# Altium PCB MB1605.PcbDoc (part 10 of 11) (continued)
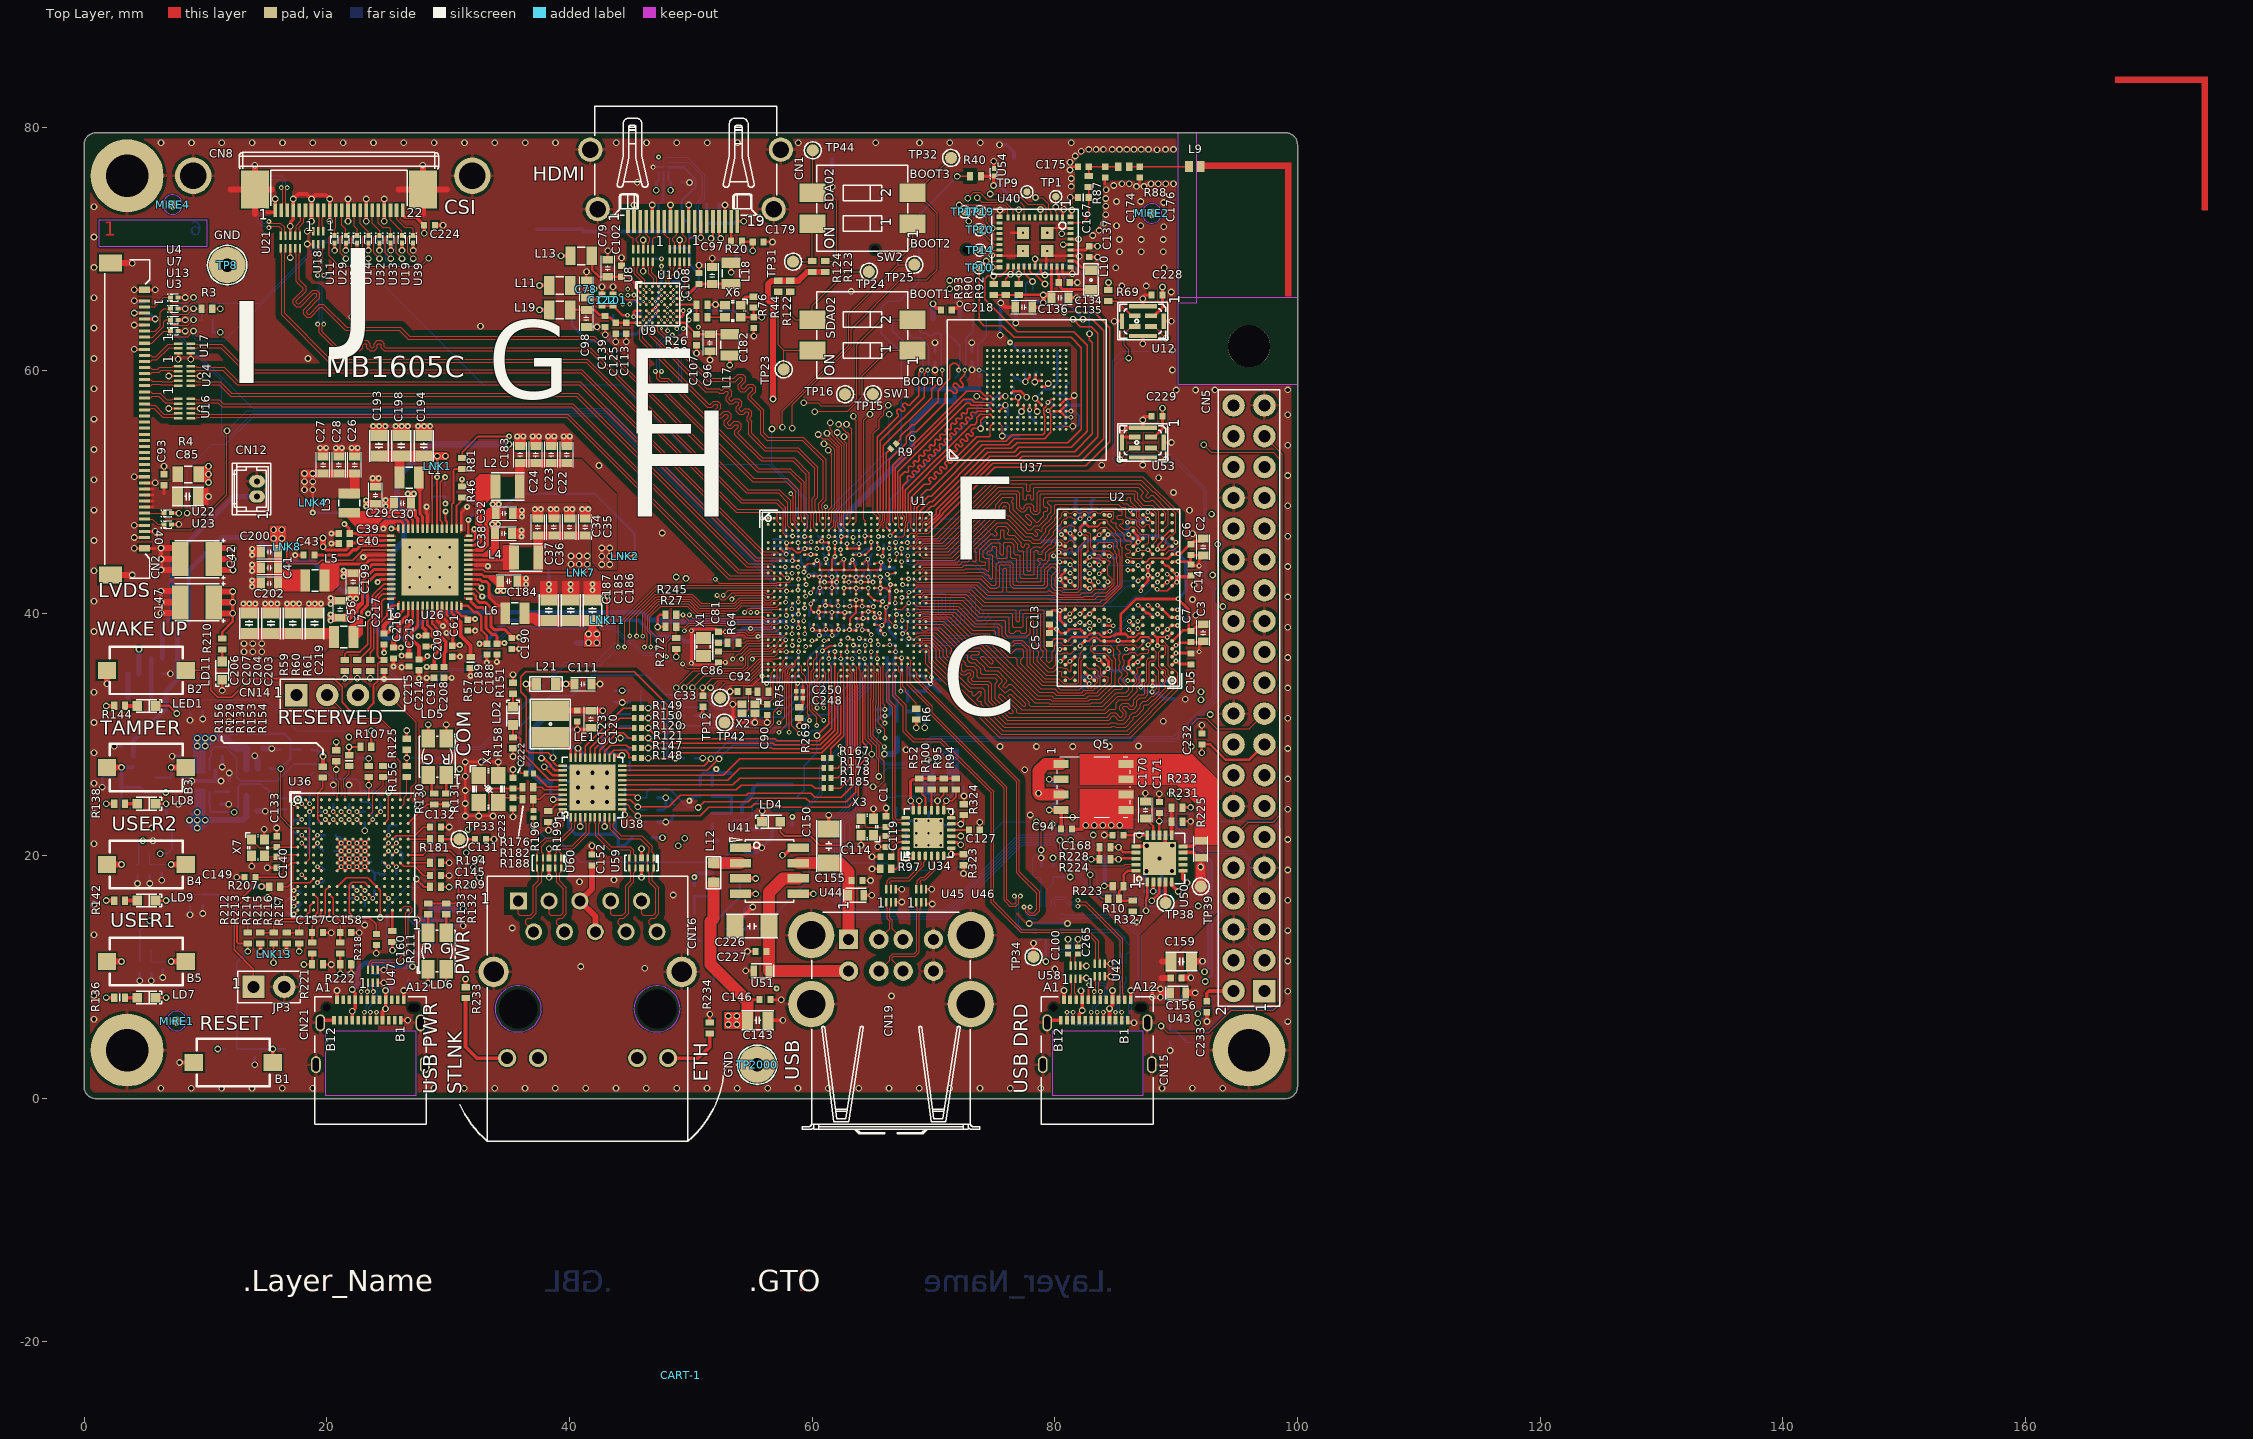
[diagram p0: Top Layer view]
## Nets (pads, with @x,y where several pads share a name; then routed paths per layer and width w, separated by ;. In a path a pad name is that pad's centre, name@x,y a point inside that pad or via, vN(x,y) a via of type N, cw(c..) or ccw(c..) an arc to the next point about the centre after c; other vN are vias at no path point) (continued)
  Bottom Layer w0.5: v1@65.97,28.4 66.707,28.4 67,28.693 R11.1@67,29.675
  other v1: 65.956,28.4
VDDCORE_FB: LNK2.1 U26.28 | length 19.7
  Top Layer w0.2: U26.28@31.67,46.4 v4(31.67,47.7) ; LNK2.1@44.766,44.7 v4(45.376,44.7)
  Bottom Layer w0.2: v4(31.67,47.7) 32.097,48.127 34.077,48.127 35.8,49.85 42.087,49.85 45.376,46.561 v4(45.376,44.7)
VDDCPU: C26.2 C27.2 C28.2 C62.1 C63.2 C64.2 C65.1 C66.2 C67.2 C68.2 C69.2 L3.2 LNK4.1 U1.1C7 U1.1C9 U1.1D6 U1.1D8 U1.1D10 U1.F18 U1.G15 U1.G17 | length 26.3
  Top Layer w0.15: U1.G15@63.375,44.825 v3(63.9,44.825) U1.G17@64.375,44.825 U1.F18@64.875,45.325 v3(64.875,45.875) ; v3(65.017,42.572) U1.1D10@64.625,42.575 ; U1.1D8@63.625,42.575 63.02,42.575 v3(63.017,42.572) U1.1D6@62.625,42.575 v3(62.625,42.983) 62.716,43.075 U1.1C7@63.125,43.075 v3(63.625,42.983) ; U1.1D8@63.625,42.575 v3(63.625,42.983) ; U1.1D8@63.625,42.575 v3(64.017,42.572) 64.622,42.572 U1.1D10@64.625,42.575 ; v3(63.625,42.983) 63.716,43.075 U1.1C9@64.125,43.075 v3(64.625,42.983) U1.1D10@64.625,42.575
  Top Layer w0.2: LNK4.1@18.85,49.35 v1(18.85,50.173)
  Top Layer w0.3: v1(18.175,50.173) v1(18.175,50.848) v1(18.175,51.523) v1(18.85,51.523) v1(18.85,50.848) v1(18.85,50.173)
  Top Layer w0.64: v1(18.175,51.523) v1(18.175,51.523) C27.2@19.7,51.525 C28.2@21,51.525 C26.2@22.3,51.525
  Top Layer w0.8: L3.2@21.85,49.875 22.3,49.875 22.3,51.173
  Bottom Layer w0.15: C63.2@62.506,43.455 62.606,43.355 62.606,43.269 62.608,43.267 62.608,43.001 v3(62.625,42.983) 62.625,42.684 62.737,42.572 v3(63.017,42.572) v3@63.062,42.617 ; C62.1@63.106,43.078 63.062,43.034 v3@63.062,42.617 ; v3(63.625,42.983) 63.261,42.62 63.065,42.62 v3@63.062,42.617 ; v3(64.875,45.875) 64.895,45.855 C66.2@64.895,45.441
  Bottom Layer w0.2: C67.2@63.4,44.95 63.775,44.95 v3(63.9,44.825) 63.933,44.825 64.23,45.122 64.23,45.127 64.3,45.197 C69.2@64.305,45.197 ; C65.1@63.675,43.434 63.675,43.033 v3(63.625,42.983) 64.017,42.903 ; v3(64.017,42.572) 64.017,42.903 ; C68.2@64.239,43.447 64.239,43.125 ; C69.2@64.305,45.202 64.579,45.324 64.778,45.324 C66.2@64.886,45.432 ; v3@64.625,42.964 v3(64.625,42.983) ; C64.2@64.8,43.446 64.8,43.158 v3(64.625,42.983) ; C66.2@64.853,45.445 C66.2@64.886,45.432 ; C66.2@64.895,45.441 C66.2@64.886,45.432 ; C66.2@64.915,45.421 C66.2@64.886,45.432 ; v3(65.017,42.572) v3(64.625,42.983) ; 64.017,42.903 64.239,43.125 ; 64.239,43.125 64.381,42.983 v3(64.625,42.983)
VDDCPU_FB: LNK4.2 U26.42 | length 8.6
  Top Layer w0.2: v4(18.85,48.29) LNK4.2@18.85,48.9 ; v4(25.325,46.975) U26.42@25.895,46.975
  Bottom Layer w0.2: v4(18.85,48.29) 21.979,48.29 22.394,47.875 25.123,47.875 25.325,47.673 v4(25.325,46.975)
VDDGPU: C34.2 C35.2 C36.2 C37.2 C52.2 C53.2 C54.2 C55.2 C57.2 C58.2 C59.2 C60.2 L4.2 LNK7.2 U1.1G7 U1.1G9 U1.1H6 U1.1H8 U1.1H10 U1.1L7 U1.1L9 U1.1M6 U1.1M8 U1.1M10 | length 28.4
  Top Layer w0.1: U1.1H6@62.625,40.575 U1.1H6@62.625,40.61
  Top Layer w0.125: U1.1G9@64.125,41.075 v3(64.125,40.575) U1.1H10@64.625,40.575
  Top Layer w0.15: LNK7.2@41.175,43.35 41.182,43.358 41.385,43.358 41.473,43.445 v1(41.473,44.038) ; U1.1M6@62.625,38.575 v3(63.075,38.65) ; U1.1H6@62.625,40.575 v3(63.1,40.575) U1.1H8@63.625,40.575 ; U1.1G7@63.125,41.075 v3(63.625,41.1) ; v3(64.125,40.575) U1.1H8@63.625,40.575 ; U1.1G9@64.125,41.075 64.1,41.1 v3(63.625,41.1) ; v3(64.876,38.245) U1.1M10@64.625,38.575 64.571,38.629 v3(64.125,38.629) U1.1L9@64.125,39.075 63.851,39.075 v3(63.747,38.971) U1.1M8@63.625,38.575 63.15,38.575 v3(63.075,38.65) ; v3(63.075,38.65) U1.1L7@63.125,39.075 63.125,39.59 63.625,40.09 U1.1H8@63.625,40.575 ; U1.1H8@63.625,40.575 v3(63.625,41.1)
  Top Layer w0.16: U1.1H10@64.625,40.575 v3(65.05,40.55)
  Top Layer w0.2: C35.2@41.55,46.393 C35.2@41.598,46.345
  Top Layer w0.3: v1(40.123,44.038) v1(40.798,44.038) v1(41.473,44.038) ; v1(40.123,44.713) v1(40.798,44.713) v1(41.473,44.713)
  Top Layer w0.64: C37.2@37.4,46.4 C36.2@38.7,46.4 C34.2@40,46.4 C35.2@41.3,46.4
  Top Layer w0.8: L4.2@37.425,44.6 37.425,46.073
  Bottom Layer w0.15: C57.2@62.592,39.053 62.592,38.738 62.68,38.65 v3(63.075,38.65) ; C55.2@62.6,41.05 62.6,40.711 62.688,40.623 63.052,40.623 v3(63.1,40.575) 63.162,40.637 C52.2@63.162,41.057 63.184,41.079 63.603,41.079 v3(63.625,41.1) 63.625,40.719 63.769,40.575 v3(64.125,40.575) ; C60.2@63.154,39.122 63.092,39.06 63.092,38.667 v3(63.075,38.65) ; C59.2@63.714,39.486 63.747,39.453 v3(63.747,38.971) ; C53.2@64.083,41.306 64.083,40.962 64.125,40.919 v3(64.125,40.575) ; C54.2@64.706,41.029 65.002,40.733 65.002,40.598 v3(65.05,40.55) 64.15,40.55 v3(64.125,40.575) ; v3(64.876,38.245) 64.876,38.289 64.707,38.458 64.707,38.597 C58.2@64.607,38.697 64.193,38.697 v3(64.125,38.629) 63.783,38.971 v3(63.747,38.971) ; v3(63.075,38.65) 63.426,38.65 v3(63.747,38.971)
VDDGPU_FB: LNK7.1 U26.21 | length 9.3
  Top Layer w0.15: U26.21@31.55,43.6 32.883,43.6 33.06,43.423 34.14,43.423 34.213,43.35 LNK7.1@40.725,43.35
VDDIO: B4.1 B5.1 C70.1 C71.2 C72.2 C73.1 C74.2 C185.2 C186.2 C187.2 C196.2 C205.2 L6.2 LNK11.2 LNK13.1 R27.2 R31.2 R32.2 R33.2 R44.2 R67.2 R107.2 R122.2 R123.2 R124.2 R125.2 R223.2 R245.2 R246.2 R260.2 R261.2 TP2.1 TP4.1 U1.1L1 U1.1L3 U1.1L5 U1.1M2 U1.1M4 U1.D10 U1.E9 U1.E11 U1.G11 U26.29 | length 294.2
  Top Layer w0.15: U1.1L1@60.125,39.075 v3(60.025,38.65) 60.1,38.575 U1.1M2@60.625,38.575 ; U1.E9@60.375,45.825 60.397,45.825 60.488,45.916 60.756,45.916 v3(60.78,45.94) 60.895,45.825 U1.E11@61.375,45.825 v3(61.35,45.325) U1.G11@61.375,44.825 ; v3(60.6,38.175) U1.1M2@60.625,38.575 ; v3@60.866,46.094 60.866,46.316 U1.D10@60.875,46.325 ; U1.1L3@61.125,39.075 v3(61.125,38.675) ; v3(61.663,38.175) 61.625,38.212 U1.1M4@61.625,38.575 ; U1.1L5@62.125,39.075 62.125,38.793 62.175,38.743 v3(62.175,38.675) 62.075,38.575 U1.1M4@61.625,38.575 ; U1.1M2@60.625,38.575 61.025,38.575 v3(61.125,38.675) ; v3(61.125,38.675) 61.225,38.575 U1.1M4@61.625,38.575
  Top Layer w0.2: v1(15.615,11.207) LNK13.1@15.615,11.687 ; R107.2@23.675,28.982 23.675,30.322 v1(23.677,30.325) ; R125.2@26.59,29.657 v1(26.59,30.332) ; U26.29@31.1,47.045 31.1,48.298 v4(31.575,48.773) ; C186.2@41.9,39.4 42.085,39.215 LNK11.2@43.1,39.215 ; v1(47.267,38.87) 47.267,39.699 47.441,39.873 R245.2@47.905,39.873 ; v1@47.269,38.872 R27.2@47.905,38.872 ; v1(84.08,17.535) R223.2@84.755,17.535
  Top Layer w0.5: B5.1@1.886,11.3 v1(3.095,11.3) ; B4.1@1.886,19.3 v1(3.095,19.3) ; v1(56.775,57.65) 56.775,65.427 56.359,65.843 56.359,67.102 56.652,67.395 57.195,67.395 R44.2@57.2,67.4 R122.2@58.2,67.4 58.201,67.401 58.864,67.401 59.583,68.12 60.02,68.12 R124.2@60.025,68.125 R123.2@61.1,68.125
  Top Layer w0.64: 41.9,38.525 C186.2@41.9,38.955
  Top Layer w0.9: L6.2@36.35,39.6 37.15,39.6 37.35,39.4 C187.2@38.3,39.4 C185.2@40.1,39.4 C186.2@41.9,39.4
  Signal Layer 3 w0.4: v1(47.267,38.87) 48.827,37.31 49.399,37.31 52.431,34.278 52.431,30.573 56.764,26.24 56.764,23.546 64.86,15.45 70.36,15.45 71.294,16.384 74.797,16.384 76.051,15.13 82.951,15.13 84.08,16.259 v1(84.08,17.535)
  Signal Layer 3 w0.5: v1(11.231,63.15) 10.006,61.925 6.875,61.925 2.442,57.492 2.442,39.126 v1(4.532,37.035) ; v1(15.615,11.207) 13.193,11.207 11.011,9.025 v1(11.011,4.09) 8.667,4.09 3.095,9.662 v1(3.095,11.3) v1(3.095,19.3) 3.095,22.849 4.532,24.286 v1(4.532,37.035) ; v1(23.677,30.325) 23.701,30.325 25.627,30.325 25.634,30.332 v1(26.59,30.332) 26.59,33.61 ; v1(56.775,57.65) 55.053,59.372 38.525,59.372 30.5,51.347 30.5,49.743 v4(29.784,49.027) 29.757,49 29.551,49 29.175,48.624 29.175,47.902 29.473,47.603 30.405,47.603 v4(31.575,48.773) 32.102,48.773 32.8,48.075 32.8,46.425 35.7,43.525 35.7,41.9 39.315,38.285 v1(41.577,38.285) ; v1(4.532,37.035) 10.536,37.035 11.883,35.688 24.512,35.688 26.59,33.61 ; 26.59,33.61 32.876,33.61 35.33,36.064 36.454,36.064 37.95,37.56 v1(41.577,37.56) ; v1(41.577,37.56) v1(41.577,38.285) ; v1(41.577,37.56) v1(42.252,37.56) v1(42.252,38.285) v1(41.577,38.285)
  Bottom Layer w0.15: C70.1@59.78,39.235 59.78,38.895 v3(60.025,38.65) 60.452,38.223 60.552,38.223 v3(60.6,38.175) ; C71.2@60.34,39.085 60.6,38.825 v3(60.6,38.175) ; C72.2@60.905,39.148 61.005,39.048 61.005,38.863 61.125,38.743 v3(61.125,38.675) 61.125,38.285 ; C73.1@61.467,39.074 61.663,38.878 v3(61.663,38.175) ; C74.2@62.03,39.133 62.127,39.036 62.127,38.723 v3(62.175,38.675) 62.175,38.323 62.027,38.175 61.235,38.175 61.125,38.285 ; v3(60.6,38.175) 61.037,38.175 61.125,38.263 61.125,38.285
  Bottom Layer w0.2: R32.2@10.625,64.175 R31.2@10.625,63.15 v1(11.231,63.15) ; v1(11.011,4.09) R33.2@11.686,4.09 ; R260.2@28.689,49.621 R261.2@29.763,49.621 29.784,49.6 v4(29.784,49.027) ; C205.2@60.485,46.38 60.742,46.123 60.742,45.978 v3(60.78,45.94) 60.9,45.82 C196.2@60.9,45.475 60.975,45.4 61.221,45.4 61.296,45.325 v3(61.35,45.325)
  Bottom Layer w0.4: R67.2@4.532,35.008 v1(4.532,37.035) ; R246.2@84.074,19.858 84.111,19.82 84.111,17.607 84.08,17.576 v1(84.08,17.535)
  Bottom Layer w0.5: TP2.1@2.136,19.3 v1(3.095,19.3) ; TP4.1@40.618,37.56 v1(41.577,37.56)
VDDIO_FB: LNK11.1 U26.17 | length 13.4
  Top Layer w0.15: U26.17@31.67,42 32.2,42 32.803,41.397 v4(32.815,41.397)
  Top Layer w0.2: LNK11.1@43.1,39.665 v4(43.1,41.4)
  Bottom Layer w0.15: v4(32.815,41.397) 43.097,41.397 v4(43.1,41.4)
VDDIO_SDCARD: C89.2 C195.2 C217.1 R34.2 R35.2 R36.2 R37.2 R38.2 R39.2 U1.D14 U1.E13 U26.2 | length 84.8
  Top Layer w0.15: U1.E13@62.375,45.825 v3(62.4,46.325) U1.D14@62.875,46.325
  Top Layer w0.21: 25.959,39.873 26.3,40.214 U26.2@26.3,40.63
  Top Layer w0.3: C217.1@24.725,38.38 24.77,38.425 25.059,38.425 25.335,38.701 v4(25.335,38.737)
  Top Layer w0.4: C217.1@24.725,38.32 24.725,38.38 24.725,39.015 25.399,39.69 25.775,39.69 25.959,39.873
  Signal Layer 2 w0.5: v1(35.025,53.925) 59.799,53.925 60.924,52.8 62.107,52.8 63.734,54.428 v1(68.247,54.428)
  Bottom Layer w0.4: v3(62.4,46.325) C195.2@62.4,46.787 ; R35.2@68.661,58.493 R36.2@69.7,58.493 R37.2@70.725,58.493 R34.2@71.75,58.493 ; C89.2@71.75,57.5 R34.2@71.75,58.493 ; R39.2@73.754,58.53 73.717,58.493 R38.2@72.75,58.493 R34.2@71.75,58.493
  Bottom Layer w0.5: v4(25.335,38.737) 25.335,44.91 26.35,45.925 26.35,48.5 25.8,49.05 25.8,51.175 28.55,53.925 v1(35.025,53.925) ; C195.2@62.4,46.787 62.4,47.711 68.247,53.558 v1(68.247,54.428) 68.247,55.608 70.139,57.5 C89.2@71.75,57.5
VLED: C85.2 C93.2 CN2.32 CN2.33 CN2.34 CN2.35 R4.1 | length 3.4
  Top Layer w0.25: CN2.35@5,48.75 5.671,48.75 ; CN2.34@5,49.25 5.671,49.25 ; CN2.33@5,49.75 5.671,49.75 ; CN2.32@5,50.25 5.671,50.25 ; 6.596,49.877 C93.2@6.596,50.549
VREF+: C248.2 C250.2 R269.2 U1.AG6 | length 2.9
  Top Layer w0.09: U1.AG6@58.875,34.825 59.13,34.57
  Top Layer w0.1: 59.13,34.57 59.233,34.467 59.233,34.02
  Top Layer w0.25: R269.2@58.956,32.258 59.051,32.258 59.181,32.388 59.181,32.483 59.233,32.535 C248.2@59.233,33.002 C250.2@59.233,33.572 59.233,34.02
WL.SDMMC3_CK: TP10.1 U1.A26 U40.20 | length 39
  Top Layer w0.1: v1(74.35,69.025) U40.20@75.45,69.025
  Top Layer w0.11: U1.A26@68.875,47.825 68.884,47.834 68.884,48.387 69.706,49.209 69.909,49.209 74.284,53.584 76.409,53.584 76.883,54.058 81.081,54.058 82.184,55.161 82.184,61.891 81.35,62.725 76.639,62.725 75.671,63.693 74.152,63.693 73.754,64.091 TP10.1@73.754,68.471 ; TP10.1@73.754,68.475 73.8,68.475 v1(74.35,69.025)
WL.SDMMC3_CMD: R93.2 U1.B26 U40.22 | length 39.2
  Top Layer w0.09: 68.889,47.485 69.125,47.721 69.125,48.118 69.582,48.575
  Top Layer w0.11: U1.B26@68.875,47.325 68.889,47.339 68.889,47.485 ; 69.582,48.575 69.831,48.824 70.025,48.824 74.476,53.275 76.635,53.275 77.028,53.668 81.34,53.668 82.651,54.979 82.651,62.103 81.549,63.206 76.886,63.206 74.217,65.875 74.217,67.55 74.464,67.797 74.928,67.797 74.95,67.775 75.55,67.775 76.055,68.28 76.055,68.505 U40.22@76.125,68.575 ; R93.2@74.95,67.129 v1(74.95,67.797)
WL.SDMMC3_D0: R92.2 U1.C27 U40.24 | length 38.6
  Top Layer w0.11: U1.C27@69.375,46.825 70.053,47.503 70.109,47.503 70.78,48.173 70.78,48.239 74.9,52.359 77.273,52.359 77.481,52.567 82.226,52.567 84.025,54.366 84.025,63.3 83.097,64.228 82.328,64.228 v1(82.325,64.225) ; R92.2@77.025,67.129 v1(77.025,67.95) U40.24@77.025,68.575
  Bottom Layer w0.11: v1(77.025,67.95) 78.475,67.95 78.85,68.325 80.15,68.325 81.35,67.125 81.35,65.2 v1(82.325,64.225)
WL.SDMMC3_D1: R91.2 U1.D25 U40.26 | length 38.7
  Top Layer w0.09: U1.D25@68.375,46.325 68.402,46.352 68.516,46.352 68.739,46.575 69.553,46.575 70.125,47.147
  Top Layer w0.11: 70.125,47.147 75.028,52.05 77.499,52.05 77.622,52.173 82.567,52.173 84.51,54.116 84.51,63.515 83.199,64.826 v1(80.782,64.826) ; U40.26@77.925,68.575 77.925,68.175 78.122,67.979 78.347,67.979 v1(79.193,67.132)
  Bottom Layer w0.11: v1(79.193,67.132) 79.203,67.142 R91.2@80.045,67.142 80.236,66.952 80.473,66.952 80.782,66.643 v1(80.782,64.826)
WL.SDMMC3_D2: R90.2 U1.C26 U40.23 | length 39.6
  Top Layer w0.09: U1.C26@68.875,46.825 69.125,47.075 69.125,47.429 69.271,47.575 69.487,47.575 69.805,47.893 69.905,47.893 70.125,48.112
  Top Layer w0.11: 70.125,48.112 70.207,48.194 70.207,48.549 74.617,52.959 76.821,52.959 77.174,53.312 81.622,53.312 83.102,54.791 83.102,62.282 82.85,62.533 v1(82.85,63.027) ; R90.2@75.975,67.132 75.975,67.56 v1(76.344,67.929) 76.344,67.984 76.575,68.215 U40.23@76.575,68.575
  Bottom Layer w0.11: v1(76.344,67.929) 77.115,68.7 81.417,68.7 82.85,67.267 v1(82.85,63.027)
WL.SDMMC3_D3: R89.2 U1.B27 U40.25 | length 37.5
  Top Layer w0.11: U1.B27@69.375,47.325 69.398,47.348 69.529,47.348 69.884,47.703 70.012,47.703 70.51,48.2 70.51,48.415 74.748,52.653 77.018,52.653 77.31,52.945 81.918,52.945 83.536,54.563 83.536,63.089 83,63.625 82.1,63.625 v1(81.5,64.225) ; U40.25@77.475,68.575 77.475,68.021 v1(78.164,67.332)
  Bottom Layer w0.11: R89.2@78.164,66.634 v1(78.164,67.332) 77.771,67.332 77.6,67.161 77.6,65.125 78.5,64.225 v1(81.5,64.225)
WL_HOST_WAKE: U1.N2 U40.27 | length 73.7
  Top Layer w0.09: 55.625,41.694 56.153,41.694 56.271,41.575 56.625,41.575 U1.N2@56.875,41.825
  Top Layer w0.1: v2(52.175,41.475) 52.525,41.125 52.849,41.125 53.417,41.694 55.625,41.694
  Top Layer w0.2: U40.27@78.375,68.575 v1(78.375,69.2)
  Signal Layer 2 w0.1: v1(71.35,67.425) 71.401,67.476 71.701,67.476 74.35,70.125 75.059,70.125 76.309,68.875 78.05,68.875 v1(78.375,69.2)
  Signal Layer 3 w0.1: v2(52.175,41.475) 51.675,41.975 51.675,46.064 57.861,52.25 80.45,52.25 82.65,54.45 82.65,57.894 81.346,59.197 78.435,62.109 77.444,63.1 76.375,63.1 73.2,66.275 71.213,66.275 70.925,66.563 70.925,67 v1(71.35,67.425)
WL_REG_ON: TP18.1 U1.L5 U40.28 | length 74.5
  Top Layer w0.09: 55.625,42.494 57.063,42.494 57.144,42.575 58.125,42.575 U1.L5@58.375,42.825
  Top Layer w0.1: v2(52.031,42.8) 52.337,42.494 55.625,42.494
  Top Layer w0.2: U40.28@78.825,68.575 78.836,68.565 78.836,68.157 79.126,67.868 v1(79.193,67.868)
  Signal Layer 2 w0.1: v1(71.35,66.739) 74.536,69.925 74.976,69.925 76.226,68.675 78.386,68.675 v1(79.193,67.868)
  Signal Layer 3 w0.1: v2(52.031,42.8) 52.031,46.137 57.944,52.05 80.533,52.05 82.85,54.367 82.85,57.976 81.346,59.48 78.718,62.109 77.526,63.3 76.458,63.3 73.019,66.739 v1(71.35,66.739)
  Bottom Layer w0.1: TP18.1@51.376,42.803 52.028,42.803 v2(52.031,42.8)
pads on no net: CART-1.1 CN1.14 CN2.20 CN2.21 CN2.22 CN2.23 CN2.24 CN2.25 CN2.26 CN2.27 CN2.28 CN2.29 CN6.NPTH1 CN6.NPTH2 CN15.0 CN15.A8 CN15.B8 CN16.17 CN16.18 CN21.0 CN21.A2 CN21.A3 CN21.A8 CN21.A10 CN21.A11 CN21.B2 CN21.B3 CN21.B8 CN21.B10 CN21.B11 D1.2 L9.2 MIRE1.1 MIRE2.1 MIRE3.1 MIRE4.1 MIRE5.1 MIRE6.1 U1.A15 U1.A18 U1.AA7 U1.AA21 U1.AA23 U1.AB10 U1.AB24 U1.AC7 U1.AC23 U1.AC25 U1.AD20 U1.AD25 U1.AE7 U1.AE8 U1.AE9 U1.AE10 U1.AE25 U1.AE26 U1.AF7 U1.AF26 U1.AG9 U1.AG26 U1.B1 U1.B2 U1.B18 U1.C2 U1.C3 U1.C15 U1.C16 U1.C17 U1.C18 U1.D3 U1.D16 U1.D20 U1.E1 U1.E2 U1.E3 U1.F1 U1.F2 U1.G21 U1.K24 U1.L21 U1.N3 U1.U1 U1.W21 U1.W23 U1.Y22 U2.A1 U2.A2 U2.A8 U2.A11 U2.A12 U2.AA1 U2.AA12 U2.AB1 U2.AB2 U2.AB11 U2.AB12 U2.B1 U2.B12 U2.G11 U2.H3 U2.J5 U2.K5 U2.K8 U2.N5 U2.N8 U2.P5 U2.R3 U5.5 U5.6 U6.5 U6.6 U34.6 U35.4 U36.A1 U36.A3 U36.A4 U36.A5 U36.A8 U36.A9 U36.A11 U36.A12 U36.A13 U36.B4 U36.B5 U36.B6 U36.B7 U36.B8 U36.B9 U36.B10 U36.B11 U36.B12 U36.B13 U36.B15 U36.C2 U36.C3 U36.C12 U36.C13 U36.C14 U36.C15 U36.D1 U36.D2 U36.D3 U36.D11 U36.D13 U36.D14 U36.E1 U36.E2 U36.E3 U36.E4 U36.E12 U36.E13 U36.E14 U36.E15 U36.F1 U36.F4 U36.F14 U36.G4 U36.G14 U36.G15 U36.H2 U36.H3 U36.H4 U36.H14 U36.J3 U36.J4 U36.K1 U36.K2 U36.K3 U36.K12 U36.K13 U36.K14 U36.K15 U36.L1 U36.L12 U36.L13 U36.L14 U36.L15 U36.M2 U36.M3 U36.M4 U36.M7 U36.M12 U36.M13 U36.M14 U36.M15 U36.N2 U36.N4 U36.N6 U36.N7 U36.N11 U36.N13 U36.N14 U36.N15 U36.P2 U36.P4 U36.P5 U36.P6 U36.P7 U36.P8 U36.P9 U36.P10 U36.P11 U36.P12 U36.P13 U36.P14 U36.P15 U36.R2 U36.R3 U36.R6 U36.R7 U36.R8 U36.R9 U36.R10 U36.R11 U36.R12 U37.A1 U37.A2 U37.A7 U37.A8 U37.A9 U37.A10 U37.A11 U37.A12 U37.A13 U37.A14 U37.B1 U37.B7 U37.B8 U37.B9 U37.B10 U37.B11 U37.B12 U37.B13 U37.B14 U37.C1 U37.C3 U37.C5 U37.C7 U37.C8 U37.C9 U37.C10 U37.C11 U37.C12 U37.C13 U37.C14 U37.D1 U37.D2 U37.D3 U37.D4 U37.D12 U37.D13 U37.D14 U37.E1 U37.E2 U37.E3 U37.E5 U37.E8 U37.E9 U37.E10 U37.E12 U37.E13 U37.E14 U37.F1 U37.F2 U37.F3 U37.F10 U37.F12 U37.F13 U37.F14 U37.G1 U37.G2 U37.G3 U37.G10 U37.G12 U37.G13 U37.G14 U37.H1 U37.H2 U37.H3 U37.H12 U37.H13 U37.H14 U37.J1 U37.J2 U37.J3 U37.J12 U37.J13 U37.J14 U37.K1 U37.K2 U37.K3 U37.K6 U37.K7 U37.K10 U37.K12 U37.K13 U37.K14 U37.L1 U37.L2 U37.L3 U37.L12 U37.L13 U37.L14 U37.M1 U37.M2 U37.M3 U37.M7 U37.M8 U37.M9 U37.M10 U37.M11 U37.M12 U37.M13 U37.M14 U37.N1 U37.N3 U37.N6 U37.N7 U37.N8 U37.N9 U37.N10 U37.N11 U37.N12 U37.N13 U37.N14 U37.P1 U37.P2 U37.P7 U37.P8 U37.P9 U37.P10 U37.P11 U37.P12 U37.P13 U37.P14 U40.6 U40.7 U40.13 U40.15 U40.16 U50.7 U50.8

## Polygon pours and split planes (outlines as drawn)
GND on Signal Layer 4 "GND_L05_P040" (solid, remove dead copper, pour order 40): 0,79.6 100,79.6 100,0 0,0
VDD2_DDR on Signal Layer 4 "VDDDDR" (solid, remove dead copper, pour order 5): 64.931,42.886 64.931,44.139 66.087,45.295 66.087,46.319 66.087,48.281 63.827,50.54 62.267,52.1 18.046,52.1 17.726,51.78 17.726,46.476 16.723,45.473 15.425,45.473 14.754,46.144 14.754,53.383 19.361,57.99 60.436,57.99 78.392,57.99 90.539,45.925 90.539,33.475 70.6,33.475 70.556,33.525 64.931,39.15
3V3 on Signal Layer 4 "3V3_L4" (solid, remove dead copper, pour order 29): 92.682,7.266 88.115,7.266 86.232,5.382 81.027,5.382 70.119,16.29 39.454,16.29 26.362,29.382 6.407,29.382 4.135,27.11 4.135,8.51 3.55,7.925 1.725,7.925 1.429,8.221 1.429,33.104 4.135,35.81 4.135,65.75 10.773,72.388 83.787,72.388 89.13,67.045 89.13,56.558 87.538,56.558 82.459,61.637 55.077,61.637 51.495,65.24 45.565,65.24 41.962,61.637 22.498,61.637 12.86,51.999 12.86,41.538 13.871,40.527 30.8,40.527 40.125,31.202 40.125,30.192 45.13,25.187 86.604,25.187 92.182,30.765 97.985,30.765 98.575,30.175 98.575,7.257
VDDCORE on Signal Layer 4 "VDDCORE" (solid, remove dead copper, pour order 1): 61.625,43.6 61.625,45.05 60.125,46.55 42.252,46.55 42.252,41.475 62.35,41.475 62.35,42.825
VDDGPU on Signal Layer 4 "VDDGPU" (solid, remove dead copper, pour order 4): 60.186,41.55 60.186,41.222 62.375,39.033 62.375,38.541 61.767,37.933 60.108,37.933 57.875,35.725 42.875,35.725 41.05,37.55 41.05,39.792 42.131,40.873 42.131,45.3 36.631,45.3 35.1,43.769 35.1,39.961 36.42,38.673 36.42,34.94 46.156,25.4 62.956,25.4 67.975,30.419 67.975,36.006 65.425,38.556 65.425,41.55
VBUS_STLK on Signal Layer 4 "VBUS_STLK_L4" (solid, remove dead copper, pour order 31): 6.28,21.818 8.611,24.149 10.519,24.149 13.49,21.178 13.49,17.925 19.715,11.7 27.05,11.7 27.73,11.02 27.73,7.516 24.304,4.09 14.349,4.09 6.28,12.159
VDDIO on Signal Layer 4 "VDDIO" (solid, remove dead copper, pour order 3): 62.35,38.55 61.732,37.933 60.083,37.933 57.875,35.725 42.875,35.725 41.05,37.55 41.05,39.807 42.693,41.45 48.962,41.45 59.979,41.45 62.35,39.08
VDDCPU on Signal Layer 4 "VDDCPU" (solid, remove dead copper, pour order 2): 65.325,44.003 66.023,44.701 66.023,48.344 62.267,52.1 44.625,52.1 18.046,52.1 17.726,51.78 17.726,49.414 20.59,46.55 60.125,46.55 61.138,45.537 61.138,44.65 61.138,41.575 65.325,41.575
GND on Top Layer "GND_L01_P037" (solid, remove dead copper, pour order 37): -0.051,79.556 99.949,79.556 99.948,-0.044 -0.051,-0.044
VBUSc on Top Layer "VBUSc" (solid, remove dead copper, pour order 26): 89.113,7.784 87.1,7.784 87.1,13.417 91.525,17.842 91.525,20.18 93.46,20.18 93.46,15.437 89.113,11.09
VDDIO on Top Layer "VDDIO" (solid, pour order 22): 30.995,46.77 30.995,48.568 31.53,49.103 31.712,49.103 32.15,48.664 32.15,48.123 31.45,47.423 31.45,46.77
VDDCORE on Top Layer "I_SENS_VDDCORE_P" (solid, pour order 19): 41.007,52.695 43.889,49.813 43.889,43.586 43.894,43.581 42.44,43.581 41.895,44.126 41.895,48.827 41.522,49.2 39.875,49.2 35.515,49.2 35.505,52.695
VLED on Top Layer "VLED" (solid, remove dead copper, pour order 14): 5.45,48.625 8.139,48.625 8.139,52.099 7.289,52.099 7.289,50.959 7.134,50.804 6.316,50.804 5.887,50.375 5.45,50.375
5V_STLK on Top Layer "5V_VIN" (solid, pour order 17): 22.51,43.62 23.167,43.62 23.35,43.803 23.35,43.463 22.867,42.98 22.51,42.98
VDDCPU on Top Layer "I_SENS_VDDCPU_P" (solid, pour order 18): 17.812,51.845 17.812,49.998 18.335,49.475 22.75,49.475 22.745,49.48 22.745,51.845
VDDGPU on Top Layer "I_SENS_VDDGPU_P" (solid, pour order 20): 41.603,43.6 41.745,43.742 41.745,46.72 37.025,46.72 37.025,43.6
3V3 on Top Layer "3V3" (solid, pour order 23): 12.887,36.548 13.062,36.373 19.41,36.373 20.712,37.675 20.712,38.523 13.088,38.523 12.887,38.323
NetL6_1 on Top Layer "NetL13_1" (solid, pour order 25): 33.375,41.863 33.838,41.4 35.1,41.4 35.1,39.1 35.098,39.098 33.801,39.098 33.801,40.722 33.375,41.148
GND on Bottom Layer "GND_L06_P042" (solid, remove dead copper, pour order 42): -0.072,79.484 99.928,79.484 99.928,-0.116 -0.072,-0.116
VBAT on Bottom Layer "VBAT_L6" (solid, remove dead copper, pour order 24): 59.164,39.13 58.308,38.274 57.351,38.274 56.254,39.371 56.245,39.371 56.699,39.825 57.875,39.825 58.24,40.19 58.937,40.19 59.164,39.964
GND on Signal Layer 3 "GND_L04_P036" (solid, remove dead copper, pour order 36): 0,79.6 100,79.6 100,0 0,0
1V8 on Signal Layer 3 "1V8_L3" (solid, remove dead copper, pour order 34): 60.334,68.688 69.966,59.055 79.858,59.055 81.735,57.179 81.735,55.984 79.917,54.167 63.687,54.167 57.984,59.87 39.42,59.87 31.674,52.124 28.876,52.124 28.526,52.474 28.526,53.397 33.061,57.931 33.061,63.752 37.996,68.688
3V3_STLK on Signal Layer 3 "3V3_STLK_L3" (solid, remove dead copper, pour order 28): 28.711,31.18 28.144,31.18 26.486,29.522 21.759,29.522 18.85,32.431 18.85,33.795 15.926,33.795 15.926,15.814 17.29,14.45 24.475,14.45 27.807,11.118 29.725,9.2 30.052,9.2 31.628,10.776 31.628,15.905 29.568,17.965 29.568,30.324
VBUSc on Signal Layer 3 "VBUSc_L3" (solid, remove dead copper, pour order 33): 89.022,10.449 83.057,10.449 81.687,9.079 81.687,7.387 82.075,7 88.227,7 89.022,7.795
3V3_DVDD_RGMII on Signal Layer 3 "3V3_DVDD_RGMII_L3" (solid, remove dead copper, pour order 27): 40.225,24.385 40.225,31.194 39.25,32.264 39.25,34.58 44.006,34.58 44.675,33.911 44.675,32.69 49.265,28.1 49.265,25.473 47.415,23.622 40.944,23.666
VDDIO on Signal Layer 3 "VDDIO_L3" (solid, remove dead copper, pour order 32): 60.326,37.901 62.326,37.901 63.625,39.2 63.625,45.6 62.9,46.325 60.364,46.325 59.931,45.892 59.931,40.206 59.725,40 59.725,38.475
GND on Signal Layer 2 "GND_L03_P041" (solid, remove dead copper, pour order 41): 0,79.6 100,79.6 100,0 0,0
1V8 on Signal Layer 2 "1V8_L2" (solid, remove dead copper, pour order 38): 67.971,37.43 66.1,39.302 66.1,45.145 64.484,46.76 63.818,47.427 46.015,47.427 42.92,50.521 33.947,50.521 30.845,53.623 28.785,53.623 28.423,53.261 28.423,52.185 29.383,51.225 29.763,51.225 31.665,49.323 35.227,49.323 39.176,45.374 47.231,45.374 55.607,36.999 55.607,34.227 56.104,33.73 57.271,33.73 57.271,31.029 58.106,30.195 59.82,30.195 62.375,32.75 62.375,35.1 63.1,35.825 67.552,35.825 67.971,36.245
VDD1_DDR on Signal Layer 2 "VDD1_DDR_L2" (solid, remove dead copper, pour order 30): 28.939,55.425 28.642,55.128 24.056,55.128 18.85,49.922 18.85,45.081 19.131,44.8 20.061,44.8 20.385,45.124 20.385,46.985 27.223,53.823 30.827,53.823 33.9,50.75 42.691,50.75 46.015,47.427 71.721,47.427 81.198,37.95 90.033,37.95 90.834,38.751 90.834,46.566 84.667,52.733 61.088,52.733 59.896,53.925 35.025,53.925 33.525,55.425
5V_STLK on Signal Layer 2 "5V_STLK_L2" (solid, remove dead copper, pour order 35): 36.075,38.323 34.569,36.817 27.867,36.817 27.027,35.977 27.027,33.924 26.373,33.257 22.575,33.257 17.94,28.622 17.94,18.457 24.16,12.237 71.353,12.237 82.38,23.264 85,23.264 86.773,23.264 89.393,20.645 89.393,15.195 91.562,13.025 96.331,13.025 97.27,12.086 97.27,6.345 93.725,2.8 12.29,2.8 5.9,9.19 5.9,59.764 21.92,75.784 49.079,75.784 49.079,74.404 47.064,72.388 22.975,72.388 9,58.413 9,54 18.2,44.8 20.061,44.8 20.385,45.124 20.385,46.985 23.625,50.225 27.75,50.225 28.652,49.323 35.227,49.323 36.075,48.475
GND on Signal Layer 1 "GND_L02_P000" (solid, remove dead copper, pour order 0): 0,79.6 100,79.6 100,0 0,0

## Keep-outs
Bottom Layer:
  circle w3.7: c94.73,41.89 r1.84
  circle w3.7: c14.25,49.625 r1.84
  circle w4: c13.965,9.211 r2
  circle w4: c42.326,73.3 r2
  circle w4: c56.826,73.3 r2
  circle w3.7: c14.25,50.875 r1.84
  circle w4: c22.575,33.257 r2
  circle w4: c20.035,33.257 r2
  circle w4: c25.115,33.257 r2
  circle w4: c17.495,33.257 r2
  circle w4: c16.505,9.211 r2
  circle w4.3: c33.75,10.45 r2.15
  circle w4.9: c59.93,13.48 r2.483
  circle w4.9: c73.07,13.48 r2.483
  circle w3.7: c94.73,16.49 r1.84
  circle w3.7: c94.73,19.03 r1.84
  circle w3.7: c40.865,16.29 r1.84
  circle w3.7: c35.785,16.29 r1.84
  circle w3.7: c45.945,16.29 r1.84
Keep-Out Layer:
  region: 90.115,66.003 90.115,58.875 100,58.875 100,66.003
  rectangle: 90.115,65.6 91.675,79.6
  lines w0.1: 1.25,70.259 1.25,72.409 10.15,72.409 10.15,70.259 1.25,70.259